# Altium PCB AMPM_GT400VB.PcbDoc (part 3 of 3)
Units mil, origin at the board's own origin, x right, y up, seen from the top; angles counter-clockwise.
Board outline 2654.8 x 2519.91 mil, 2 copper layers (Top Layer, Bottom Layer), stack 65.792 mil thick; 155 components, 114 nets, 568 pads, 487 vias.
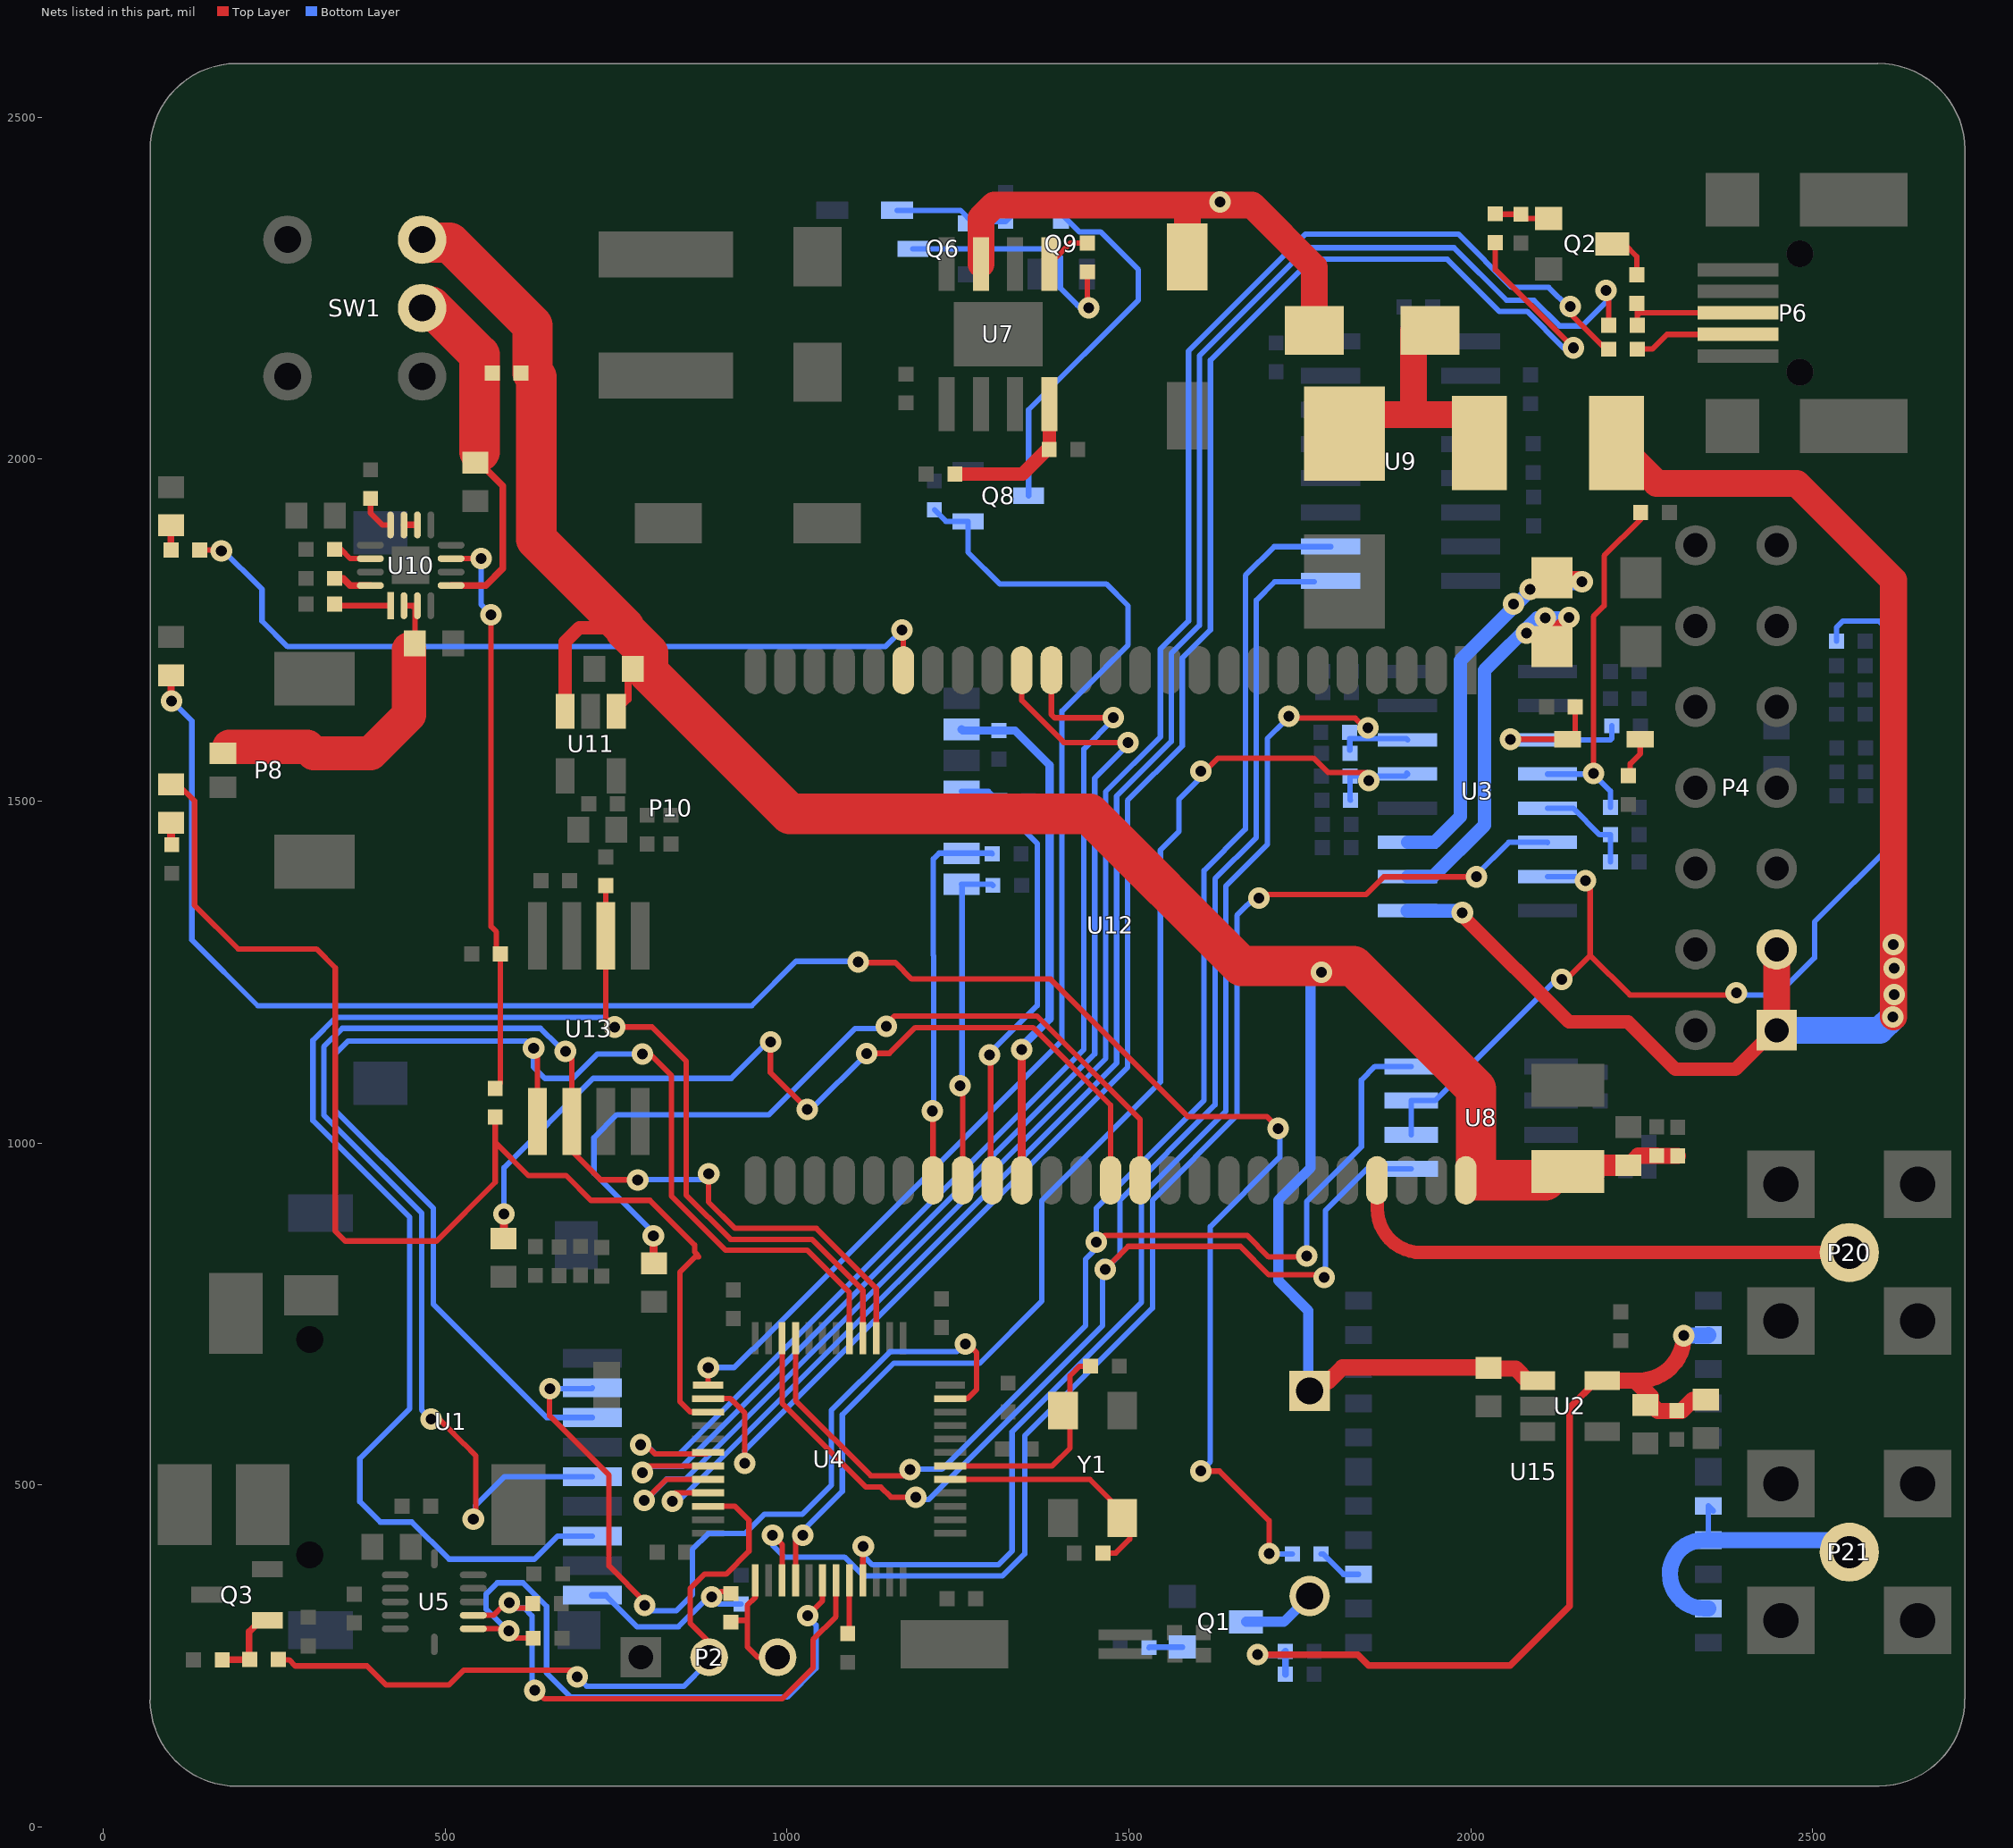
[diagram p3: the nets of this part, all layers, seen from the top]

## Via types
v1: diameter 31.5, hole 15.75, Top Layer to Bottom Layer, 478 vias
v2: diameter 11.81, hole 11.81, Top Layer to Bottom Layer, tented top, 5 vias
v3: diameter 74.8, hole 74.8, Top Layer to Bottom Layer, 2 vias
v4: diameter 35.43, hole 35.43, Top Layer to Bottom Layer, 2 vias

## Nets (pads, with @x,y where several pads share a name; then routed paths per layer and width w, separated by ;. In a path a pad name is that pad's centre, name@x,y a point inside that pad or via, vN(x,y) a via of type N, cw(c..) or ccw(c..) an arc to the next point about the centre after c; other vN are vias at no path point) (continued)
NetC87_2: C87.2 D8.1 R83.1 U3.3 | length 304.1
  Top Layer w8: v1(2057.9,1590.44) 2141.6,1590.44 D8.1@2141.7,1590.54 2153.06,1601.9 R83.1@2153.06,1638.04
  Bottom Layer w8: v1(2057.9,1590.44) 2058.75,1589.59 U3.3@2112.29,1589.59 2204.26,1589.59 2206.3,1591.62 C87.2@2206.3,1610.05
NetC88_2: C88.2 R84.1 U3.4 | length 536.6
  Top Layer w8: v1(2179.48,1540.53) 2179.48,1770.06 2195.23,1785.81 2195.23,1858.87 2248.64,1912.28 R84.1@2248.64,1922.03
  Bottom Layer w8: U3.4@2112.29,1539.59 2179.64,1539.59 2204.33,1514.9 C88.2@2204.33,1490.69
NetC89_2: C89.2 R85.1 U3.5 | length 147.9
  Bottom Layer w8: U3.5@2112.29,1489.59 2150.09,1489.59 2188.78,1450.89 R85.1@2204.33,1450.89 C89.2@2204.33,1411.09
NetD2_1: D2.1 R9.1 | length 32.2
  Top Layer w11.81: D2.1@98.92,1468.18 98.92,1437.36 R9.1@99.92,1436.36
NetD4_1: D4.1 D10.2 F1.2 | length 328.4
  Top Layer w39.37: D10.2@1815.37,2037.35 1843.26,2065.24 1916.31,2065.24 ; D4.1@1916.31,2188.38 1916.31,2065.24 ; F1.2@2005.55,2056.79 1997.1,2065.24 1916.31,2065.24
NetD7_1: D7.1 R94.1 | length 39.4
  Bottom Layer w10: R94.1@1476.49,2375.59 1515.72,2375.59 D7.1@1515.88,2375.43
NetD8_2: D8.2 R86.1 | length 58
  Top Layer w8: R86.1@2233.42,1538.56 2233.42,1554.61 2248,1569.19 D8.2@2248,1590.54
NetD9_1: D9.1 R28.2 | length 2916
  Top Layer w8: v1@1108.89,1259.93 1112.63,1263.67 1158.29,1263.67 1182.31,1239.65 1385.46,1239.65 1586.64,1038.47 1702.02,1038.47 v1@1708.61,1031.87 ; v1(1605.07,520.06) 1632.44,520.06 1705.07,447.43 v1(1705.07,399.59) ; v1@1699.46,398.89 v1@1706.55,398.89
  Top Layer w10: D9.1@98.92,1684.18 D9.1@98.92,1684.06 ; v1(99.24,1646.34) 98.92,1646.66 D9.1@98.92,1684.06 ; D9.1@100.81,1682.17 D9.1@98.92,1684.06
  Bottom Layer w8: v1@99.69,1646.8 129.16,1617.33 129.16,1297.13 225.62,1200.67 948.06,1200.67 1013.02,1265.63 1094.52,1265.63 v1@1096.88,1268 ; v1(1605.07,520.06) 1619.06,534.04 1619.06,877.52 1720.82,979.29 1720.82,1018.88 v1(1718.46,1021.24) ; v1(1705.07,399.59) 1700.16,399.59 1699.46,398.89 R28.2@1739.11,398.89
  other v1: 1103.96,1264.85
NetD14_1: D14.1 R35.1 | length 36.1
  Top Layer w10: R35.1@98.71,1867.21 98.71,1903.04 D14.1@98.92,1903.25
NetF2_2: F2.2 U3.11 | length 593
  Top Layer w19.68: F2.2@2118.73,1826.83 2156.96,1826.83 v1(2162.94,1820.85)
  Bottom Layer w19.68: U3.11@1907.57,1439.59 1947.21,1439.59 1985.07,1477.45 1985.07,1705.87 2097.29,1818.09 v1@2163.34,1818.09
  other v1: 2062.55,1788.47 2086.96,1809.73
NetF3_2: F3.2 U3.10 | length 590.4
  Top Layer w19.68: F3.2@2118.42,1715.63 2129.21,1715.63 F3.2@2132.51,1712.33 ; F3.2@2118.42,1727.15 2118.42,1743.25 v1(2143.65,1768.48)
  Bottom Layer w19.68: U3.10@1907.57,1389.59 1944.85,1389.59 2020.11,1464.85 2020.11,1691.3 2096.9,1768.09 v1(2109.01,1768.09) v1@2141.29,1768.09
  other v1: 2081.84,1745.56
NetLS1_2: LS1.2 Q1.C | length 108.8
  Bottom Layer w15: Q1.C@1671.26,299.6 1726.72,299.6 LS1.2@1764.43,337.31
NetP6_2: P6.2 R97.2 | length 156
  Top Layer w8: R97.2@2243.92,2160.94 2244.55,2161.56 2266.17,2161.56 2287.26,2182.65 P6.2@2390.89,2182.65
NetP6_3: P6.3 R16.2 R98.2 | length 180.8
  Top Layer w8: R16.2@2242.92,2227.94 2243.92,2226.94 2243.92,2210.78 ; R98.2@2243.92,2195.94 2243.92,2210.78 ; P6.3@2390.89,2214.15 2247.3,2214.15 2243.92,2210.78
NetP20_1: P20.1 U12.47 | length 770.6
  Top Layer w8: P20.1@2552.84,832.43 cw(c2552.84,831.38) P20.1@2553.89,831.38
  Top Layer w19.68: U12.47@1862.97,945.38 cw(c1862.97,945.01) 1863.34,945.01 1863.34,903.92 ccw(c1927.61,903.92) 1927.61,839.65 P20.1@2553.89,839.65
NetP21_1: P21.1 U15.16 U15.17 U15.19 | length 446.5
  Bottom Layer w8: U15.17@2347.69,419.11 U15.16@2347.69,469.11 U15.16@2355.01,461.79
  Bottom Layer w23.62: U15.19@2347.69,319.11 2341.84,319.11 cw(c2341.84,369.67) 2291.29,369.67 cw(c2340.74,369.67) 2340.74,419.11 U15.17@2347.69,419.11 2536.33,419.11 cw(c2536.33,401.56) P21.1@2553.89,401.56
NetQ1_B: Q1.B R18.1 | length 49.2
  Bottom Layer w8: R18.1@1529.35,261.79 1530.13,262.57 Q1.B@1578.26,262.57
NetQ2_B: Q2.B R12.1 R14.1 | length 81
  Top Layer w8: R14.1@2036.02,2359.01 2036.72,2358.32 R12.1@2073.53,2358.32 2079.61,2352.24 Q2.B@2114.2,2352.24
NetQ2_C: Q2.C R16.1 | length 70.1
  Top Layer w8: Q2.C@2207.2,2315.21 2224.33,2315.21 2242.92,2296.62 R16.1@2242.92,2269.94
NetQ3_1: Q3.1 R13.2 R24.1 | length 105.5
  Top Layer w10: R13.2@173.71,244.07 174.01,244.37 R24.1@213.67,244.37 212.88,245.17 212.88,285 Q3.1@230.15,302.28
NetQ6_3: Q6.3 R63.2 | length 373.8
  Top Layer w8: R63.2@1439.11,2274.12 1439.11,2223.85 v1(1441.39,2221.57)
  Bottom Layer w8: Q6.3@1183.8,2307.86 1387.38,2307.86 1399.66,2295.59 1399.66,2250.31 1424.46,2225.51 ; 1424.86,2225.51 1424.46,2225.51 ; v1(1441.39,2221.57) 1428.4,2221.57 1424.46,2225.51
NetR09_1: R09.1 R49.1 U10.7 | length 835.7
  Top Layer w8: U10.7@508.38,1854.75 552.13,1854.75 v1(552.42,1855.04) ; v1(566.98,1772.36) 566.98,1316.45 574.86,1308.58 574.86,1282.28 R49.1@580.48,1276.66 580.48,1087.45 R09.1@572.97,1079.94
  Bottom Layer w8: v1(552.42,1855.04) 552.42,1787.32 567.18,1772.56 567.77,1771.96 567.38,1771.96 v1(566.98,1772.36)
NetR11_2: R11.2 U4.44 | length 77.9
  Top Layer w8: R11.2@1091.12,282.4 U4.44@1091.12,360.3
NetR19_2: R19.2 R21.2 U7.4 | length 217.7
  Top Layer w19.68: R19.2@1245.36,1978.33 1344.44,1978.33 1383.61,2017.5 U7.4@1383.61,2080.69
NetR28_1: R28.1 U15.3 | length 67.1
  Bottom Layer w8: R28.1@1781.11,398.89 1784.11,398.89 1813.89,369.11 U15.3@1835.87,369.11
NetR35_2: R35.2 U12.20 | length 1185.9
  Top Layer w8: R35.2@140.71,1867.21 170.91,1867.21 v1(172.39,1865.73) ; v1(1168.14,1750.28) 1170.06,1748.36 U12.20@1170.06,1691.44
  Bottom Layer w8: v1@171.37,1870.4 231.84,1809.92 231.84,1763.37 269.27,1725.94 1143.8,1725.94 v1(1168.14,1750.28)
NetR43_1: R43.1 U10.12 | length 57.8
  Top Layer w8: R43.1@390.58,1942.67 390.58,1921.26 407.88,1903.96 U10.12@419.79,1903.96
NetR44_1: R44.1 U10.14 | length 56.7
  Top Layer w8: R44.1@339.15,1868.33 347.33,1868.33 360.91,1854.75 U10.14@390.27,1854.75
NetR45_1: R45.1 U10.16 | length 56.4
  Top Layer w10: R45.1@338.15,1825.84 350.45,1825.84 360.91,1815.38 U10.16@390.27,1815.38
NetR63_1: R63.1 U7.5 | length 68.2
  Top Layer w8: U7.5@1383.61,2285.41 1414.32,2316.12 R63.1@1439.11,2316.12
NetR88_1: R88.1 U10.1 | length 82.7
  Top Layer w8: R88.1@340.63,1785.85 U10.1@419.79,1785.85
  Top Layer w10: R88.1@338.15,1788.33 R88.1@340.63,1785.85
OSC1: C15.1 U4.5 Y1.1 | length 376.3
  Top Layer w8: U4.5@1238.76,507.93 1442.79,507.93 Y1.1@1501.26,449.46 ; C15.1@1460.63,400.31 1480.85,400.31 1501.26,420.71 Y1.1@1501.26,449.46 ; Y1.1@1501.26,457.21 Y1.1@1501.26,449.46 ; Y1.1@1505.2,449.33 1501.39,449.33 Y1.1@1501.26,449.46
OSC2: C8.2 U4.6 Y1.3 | length 327.6
  Top Layer w8: U4.6@1238.76,527.62 1387.82,527.62 1413.73,553.52 1413.73,659.43 1427.81,673.51 C8.2@1443.85,673.51
OUTPUT1: R10.2 U3.7 U8.2 U8.3 | length 1589.2
  Top Layer w8: v1(2133.42,1239.35) 2140.2,1239.35 2174.76,1273.9 ; v1@2167.67,1382.56 2174.76,1375.48 2174.76,1273.9 ; v1@2388.54,1216.42 2232.63,1216.42 2174.95,1274.1 2174.76,1273.9
  Bottom Layer w8: U8.2@1912.95,1011.99 U8.3@1912.95,1061.99 1948.18,1061.99 2125.54,1239.35 v1(2133.42,1239.35) v1@2133.42,1244.07 ; U3.7@2112.29,1389.59 v1@2176.86,1389.59 ; v1@2389.72,1218.78 2392.08,1216.42 2448.84,1216.42 2503.1,1270.68 2503.1,1323.54 2616.62,1437.05 2616.62,1744.32 2597.66,1763.27 2544.12,1763.27 2535.22,1754.37 R10.2@2535.22,1733.8
  other v1: 2388.54,1219.67 2167.67,1383.84
OUTPUT2: U3.6 U4.39 | length 2031.2
  Top Layer w8: v1@981.92,423.51 992.69,412.73 U4.39@992.69,360.3 ; v1@1683.02,1363.37 1846.97,1363.37 1872.86,1389.26 1993.73,1389.26 v1@2000.62,1396.14
  Bottom Layer w8: v1@978.96,411.5 996.09,394.37 1083.91,394.37 1111.46,366.82 1315.27,366.82 1347.59,399.13 1347.59,571.63 1534.41,758.45 1534.41,916.33 1658.02,1039.94 1658.02,1332.85 v1@1688.93,1363.76 ; v1@2006.72,1390.83 2055.54,1439.65 2112.23,1439.65 U3.6@2112.29,1439.59
  other v1: 978.77,426.26 1690.11,1358.25 2008.29,1389.26
PW_ON: C94.1 DZ1.2 Q6.1 Q8.3 Q9.3 R94.2 | length 843.7
  Bottom Layer w8: DZ1.2@1160.76,2364.01 1253.63,2364.01 Q6.1@1272.38,2345.27 ; Q6.1@1268.59,2349.05 Q6.1@1272.38,2345.27 ; Q8.3@1353.32,1946.7 1353.32,2072.48 1513.83,2232.99 1513.83,2277.08 1458.32,2332.59 1427.22,2332.59 1400.92,2358.9 Q9.3@1400.92,2359.48 ; R94.2@1434.49,2375.59 1417.02,2375.59 Q9.3@1400.92,2359.48 ; Q6.1@1272.38,2345.27 1275,2347.89 C94.1@1319.82,2347.89 1331.41,2359.48 Q9.3@1400.92,2359.48
PWR_EN: Q8.1 R93.1 U4.25 | length 1822.1
  Top Layer w8: U4.25@884.42,645.73 884.42,671.29 v1(884.7,671.57)
  Bottom Layer w8: v1(884.7,671.57) 922.5,671.57 948.87,697.95 949.93,697.95 1402.02,1150.04 1402.02,1631.81 1452.42,1682.2 ; R93.1@1215.49,1926.23 1232.43,1909.29 Q8.1@1264.74,1909.29 1264.74,1863.97 1311.08,1817.63 1466.82,1817.63 1498.87,1785.58 1498.87,1728.66 1452.42,1682.2 ; 1478.4,1708.19 1452.42,1682.2
PWR_INT: D2.2 R09.2 U4.27 | length 1843
  Top Layer w8: D2.2@98.92,1524.18 109.26,1524.18 133.13,1500.31 133.13,1347.53 196.88,1283.78 311.47,1283.78 339.03,1256.22 339.03,871.18 353.6,856.61 487.06,856.61 572.97,942.52 572.97,1000.98 ; R09.2@572.97,1037.94 572.97,1000.98 ; 870.55,833.48 868.92,833.48 ; U4.27@884.42,606.36 858.52,606.36 843.33,621.55 843.33,811.3 865.51,833.48 868.92,833.48 ; 572.97,1000.98 621.61,952.34 676.72,952.34 713.04,916.03 799.24,916.03 864.59,850.67 864.59,840.83 868.92,836.5 868.92,833.48
PWR_SD: P2.2 R24.2 U4.34 | length 1025.9
  Top Layer w8: R24.2@254.56,244.8 255.33,244.03 271.49,244.03 280.5,235.02 385.39,235.02 412.94,207.46 505.46,207.46 526.66,228.66 683.46,228.66 v1(692.94,219.18) ; U4.34@884.42,468.57 923.73,468.57 944.12,448.18 944.12,402.81 910.58,369.27 879.09,369.27 858.22,348.41 858.22,297.54 P2.2@908.06,247.7
  Bottom Layer w8: v1(692.94,219.18) 706.61,205.51 849.18,205.51 881.06,237.38 P2.2@881.06,246.44
SCL: R6.1 U4.42 U5.6 | length 914
  Top Layer w8: U5.6@540.96,289.44 576.08,289.44 ; v1(592.94,286.37) 603.62,275.69 R6.1@628.59,275.69 R6.1@625.48,272.59 ; v1@1034.2,312.97 1051.75,330.51 U4.42@1051.75,360.3
  Bottom Layer w8: v1@589.72,287.78 559.68,317.81 559.68,340.25 576.01,356.58 613.81,356.58 648.06,322.33 648.06,224.82 683.37,189.51 1000.28,189.51 1042.47,231.7 1042.47,294.86 v1@1029.48,307.85
  other v1: 1029.87,308.64
SD_CS: U1.2 U4.11 | length 1325
  Top Layer w8: v1@642.15,640.83 652.59,630.39 652.59,601.1 739.48,514.21 739.48,381.3 793.33,327.44 v1@793.33,323.11 ; v1(791.76,323.51) 792.94,323.51 v1@793.33,323.11 ; U4.11@1238.76,626.05 1263.63,626.05 1277.19,639.61 1277.19,693.19 1266.96,703.43 1266.96,707.76 v1@1266.56,707.37 ; v1@793.33,323.11 795.3,321.15 793.33,319.18 v1@793.33,323.11
  Bottom Layer w8: v1@642.15,640.83 v1(652.78,640.83) 714.22,640.83 U1.2@715.1,641.71 ; v1(791.76,323.51) 792.94,323.51 800.42,316.03 838.22,316.03 861.44,339.26 861.44,405.43 884.64,428.63 938.61,428.63 966.96,456.97 1022.47,456.97 1064.73,499.24 1064.73,609.1 1150.4,694.77 1248.06,694.77 1260.66,707.37 v1@1266.56,707.37
  other v1: 1260.58,705.89
SD_DET: R71.1 R89.2 U1.9 | length 252.3
  Top Layer w8: v1@902.45,343.81 R71.1@916.49,343.81
  Bottom Layer w8: U1.9@734.19,338.56 780.35,292.4 841.19,292.4 v1@879.28,330.49 ; v1@895.43,330.49 900.27,325.65 R89.2@932.6,325.65
  Bottom Layer w10: U1.9@715.1,338.56 U1.9@734.19,338.56
  other v1: 889.72,336.2
SD_MISO: R25.2 U1.7 U4.16 U13.2 | length 2507.4
  Top Layer w8: U13.2@734.8,1303.13 R25.2@734.8,1376.43 ; U13.2@734.89,1277.43 734.89,1182.74 v1(748.06,1169.57) 802.41,1169.57 852.32,1119.67 852.32,923.81 917.14,858.99 1036.26,858.99 1110.8,784.44 U4.16@1110.8,714.63
  Bottom Layer w8: U1.7@715.1,425.17 664.29,425.17 630.34,391.22 505.38,391.22 451.05,445.56 404.75,445.56 375.04,475.27 375.04,538.5 447.66,611.13 447.66,891.62 306.33,1032.96 306.33,1150.28 339.72,1183.67 733.96,1183.67 v1(748.06,1169.57)
SD_MOSI: U1.3 U4.17 U13.5 | length 1961.2
  Top Layer w8: v1(629.16,1138.47) 634.89,1132.74 634.89,1042.98 U13.5@640.59,1037.27 ; v1(788.54,1130.3) 799.17,1130.3 830.66,1098.8 830.66,922.42 910.09,842.99 1029.63,842.99 1091.12,781.5 U4.17@1091.12,714.63
  Bottom Layer w8: U1.3@715.1,598.41 648.2,598.41 482.7,763.9 482.7,904.22 338.61,1048.31 338.61,1129.81 357.9,1149.1 618.53,1149.1 v1(629.16,1138.47) 629.16,1110.93 645.62,1094.47 686.57,1094.47 722.39,1130.3 v1(788.54,1130.3)
SD_SCK: U1.5 U4.15 U13.6 | length 2157.6
  Top Layer w8: v1@481.52,595.16 492,595.16 498.47,588.69 498.47,588.51 527.41,559.57 527.59,559.57 544.52,542.64 544.52,453.92 546.08,452.35 v1@543.73,455.79 ; v1@680.34,1142.01 684.89,1137.46 684.89,1036.68 U13.6@687.44,1034.12 ; U13.6@684.8,1031.48 684.8,988.37 727.12,946.04 v1(781.45,946.04) ; v1@884.99,953.13 884.99,913.76 923.76,874.99 1042.89,874.99 1130.49,787.39 U4.15@1130.49,714.63
  Bottom Layer w8: v1(479.16,595.95) 465.38,609.73 465.38,897.52 322.33,1040.58 322.33,1140.69 349.31,1167.67 639.2,1167.67 664.86,1142.01 v1@680.34,1142.01 ; v1@543.73,455.79 543.73,469.18 586.34,511.79 U1.5@715.1,511.79 ; v1@781.45,946.44 875.15,946.44 v1@884.99,956.28
  other v1: 540.97,449.89 885.39,954.7 675.62,1133.74
SDA: R7.1 U4.43 U5.7 | length 828
  Top Layer w8: U5.7@540.96,309.13 570.43,309.13 v1@584.28,322.98 ; v1@587.43,319.83 621.27,319.83 R7.1@627.8,326.36 ; v1@629.95,192.41 633.92,196.37 635.66,196.37 645.15,186.89 992.72,186.89 1037.75,231.92 1037.75,273.44 1071.43,307.12 U4.43@1071.43,360.3
  Bottom Layer w8: v1@587.43,319.83 615.52,319.83 626.8,308.55 626.8,195.56 v1@629.95,192.41
  other v1: 630.66,199.19 593.33,327.48
SIM_CLK: C58.2 P10.3 U12.32 | length 566.7
  Top Layer w8: U12.32@1209.92,941.94 U12.32@1213.36,945.38 1213.36,1044.72 v1@1215.38,1046.74
  Bottom Layer w8: v1(1212.63,1046.74) 1214.25,1048.36 1214.25,1273.91 1213.85,1274.31 1213.85,1415.29 1222.34,1423.78 P10.3@1255.32,1423.78 1299.25,1423.78 C58.2@1300.21,1422.82
SIM_DATA: C59.2 P10.7 U12.33 | length 473
  Top Layer w8: U12.33@1256.67,945.38 v1@1256.67,1083.74
  Bottom Layer w8: P10.7@1255.32,1378.5 1299.25,1378.5 C59.2@1301,1376.75 ; v1@1255.93,1089.65 P10.7@1255.93,1377.89
  other v1: 1252.78,1083.74
SIM_RST: C57.2 P10.2 U12.34 | length 666.4
  Top Layer w8: v1@1297.66,1128.63 1297.66,947.69 U12.34@1299.98,945.38
  Bottom Layer w8: P10.2@1255.32,1514.33 1294.51,1514.33 1306.72,1502.11 1306.72,1497.28 1366,1438 1366,1200.9 v1@1295.3,1130.2
  other v1: 1296.09,1128.63
SIM_VDD: C56.1 P10.1 U12.35 | length 772.3
  Top Layer w12: U12.35@1343.28,945.38 v1(1343.28,1136.5)
  Bottom Layer w12: P10.1@1255.32,1604.88 1256.84,1603.36 C56.1@1309.92,1603.36 1333.17,1603.36 1384,1552.53 1384,1181.5 v1@1341.76,1139.26
SOS: C82.2 R3.1 U3.14 U4.45 | length 1928.3
  Top Layer w8: v1@1109.28,407.56 1110.8,406.04 U4.45@1110.8,360.3 ; v1(1733.89,1624.3) 1733.89,1627.37 1739.86,1621.4 1831.27,1621.4 v1@1848.06,1604.61
  Bottom Layer w8: v1@1111.44,409.33 1111.44,396.34 1124.83,382.96 1308.79,382.96 1329.09,403.26 1329.09,577.54 1518.41,766.86 1518.41,923.16 1642.02,1046.78 1642.02,1375.91 1702.5,1436.39 1702.5,1591.46 1728.56,1617.52 v1@1728.56,1632.69 ; v1@1728.56,1633.95 v1@1728.56,1632.69 ; v1(1733.89,1624.3) 1733.89,1627.37 v1@1728.56,1632.69 ; C82.2@1823.25,1574.39 1823.25,1591.62 1905.54,1591.62 U3.14@1907.57,1589.59
  other v1: 1111.44,409.73 1849.63,1606.97
SPEED: C83.2 R4.1 U3.13 U4.40 | length 1891.4
  Top Layer w8: U4.40@1012.38,360.3 v1@1012.38,426.26 ; v1@1617.28,1549.98 1630.2,1562.91 1770.47,1562.91 1791.37,1542.01 v1@1848.06,1542.01
  Bottom Layer w8: v1@1020.5,427.84 1022.07,427.84 1022.07,431.78 1080.73,490.43 1080.73,602.47 1156.1,677.84 1281.75,677.84 1372.66,768.75 1372.66,915.82 1546.02,1089.19 1546.02,1428.17 1573.18,1455.32 1573.18,1502.57 1616.26,1545.65 1613.73,1545.65 1611.36,1543.27 1605.48,1543.27 v1(1605.07,1543.68) ; R4.1@1824.25,1501.11 1823.47,1501.9 C83.2@1823.47,1536.71 1904.7,1536.71 U3.13@1907.57,1539.59 U3.13@1906.28,1540.88 ; v1@1848.06,1542.01 v1@1852.39,1537.68
  other v1: 1022.86,426.26 1851.21,1530.2
SPK_N: C78.2 U12.39 | length 1232.2
  Top Layer w8: v1@1144.91,1173.51 1157.11,1185.71 1365.38,1185.71 1516.51,1034.58 U12.39@1516.51,945.38
  Top Layer w11.81: C78.2@804.36,825.48 v1(804.36,864.06)
  Bottom Layer w8: v1@804.16,868.98 717.35,955.79 717.35,1007.76 750.91,1041.32 973.35,1041.32 1099.24,1167.21 v1@1141.76,1167.21
  other v1: 1145.3,1170.75
SPK_P: C77.2 U12.38 | length 1324.5
  Top Layer w8: v1(975.62,1147.92) 975.62,1103.04 v1(1029.55,1049.1) ; v1@1119.71,1130.99 1149.63,1130.99 1187.43,1168.78 1359.68,1168.78 1473.2,1055.26 U12.38@1473.2,945.38
  Top Layer w11.81: C77.2@585.46,870.02 v1(585.46,896.34) v1@585.46,897.92
  Bottom Layer w8: v1@590.97,900.67 585.85,905.79 585.85,964.06 716.26,1094.47 918.23,1094.47 v1@972.47,1148.7 ; v1(1029.55,1049.1) 1035.07,1049.1 v1(1116.56,1130.59)
SWDIO: P2.3 R71.2 U4.37 | length 200.3
  Top Layer w8: R71.2@916.49,301.81 941.16,301.81 941.69,302.34 ; U4.37@953.32,360.3 953.32,335.38 941.69,323.74 941.69,302.34 ; P2.3@1008.06,247.7 P2.3@986.02,247.7 956.96,247.7 941.69,262.97 941.69,302.34
UART1_RX: U4.31 U12.16 | length 1731
  Top Layer w8: v1@793.65,527.62 U4.31@884.42,527.62 ; U12.16@1343.28,1691.44 1343.28,1647.39 1404.96,1585.71 v1(1498.59,1585.71) v1@1502.78,1589.91
  Bottom Layer w8: v1@783.1,519.57 783.1,524.3 785.46,521.93 v1@790.58,521.93 ; v1@784.67,516.03 v1@790.58,521.93 ; v1@1502.39,1583.74 1500.42,1583.74 1450.02,1533.35 1450.02,1130.16 846.92,527.05 795.7,527.05 v1@790.58,521.93
  other v1: 788.22,518
UART1_TX: U4.30 U12.15 | length 1658.6
  Top Layer w8: v1@787.43,564.45 806.91,544.97 882.09,544.97 U4.30@884.42,547.31 ; U12.15@1386.59,1691.44 1386.59,1626.71 1391.37,1621.93 1465.64,1621.93 v1@1471.42,1616.16
  Bottom Layer w8: v1@787.63,564.65 807.3,544.97 842.21,544.97 1434.02,1136.78 1434.02,1576.4 v1@1476.01,1618.39
  other v1: 785.46,558.55 1477.19,1621.93
UART3_RX: U4.22 U8.1 U9.9 | length 2597.3
  Top Layer w8: U4.22@992.69,714.63 992.69,619.05 1115.12,496.63 1137.17,496.63 1151.92,481.87 v1(1188.14,481.87) ; v1(1465.38,815.24) 1498.85,848.7 1663.02,848.7 1704.55,807.18 1781.71,807.18 v1(1785.46,803.43)
  Bottom Layer w8: v1@1180.34,481.78 1183.49,478.63 1207.34,478.63 1461.48,732.76 v1@1461.48,826.69 ; v1(1465.38,815.24) 1487.03,836.89 1487.03,916.84 1626.02,1055.82 1626.02,1386.29 1686.5,1446.76 1686.5,1794.01 1713.34,1820.85 U9.9@1770.82,1820.85 ; v1(1785.46,803.43) 1787.62,805.59 1787.62,901.42 1848.18,961.99 U8.1@1912.95,961.99
UART3_TX: U4.21 U8.4 U9.10 | length 2679.3
  Top Layer w8: U4.21@1012.38,714.63 1012.38,623.38 1122.39,513.37 1170.59,513.37 v1(1179.55,522.33) ; v1@1453.57,853.82 1464.59,864.85 1672.86,864.85 1704.36,833.35 1763.02,833.35 v1@1764.59,834.93
  Bottom Layer w8: v1@1179.95,522.72 1226.24,522.72 1436.66,733.14 1436.66,830.2 v1@1452.39,845.94 ; v1(1452.39,855) 1452.39,904.82 1610.02,1062.45 1610.02,1398.63 1670.5,1459.11 1670.5,1830.2 1712.52,1872.22 U9.10@1795.23,1872.22 ; v1(1759.87,834.93) 1759.87,914.23 1840.11,994.47 1840.11,1092.11 1859.99,1111.99 U8.4@1912.95,1111.99
USB_CON: R14.2 U4.26 | length 2876.7
  Top Layer w8: U4.26@884.42,626.05 917.17,626.05 937.82,605.4 v1(937.82,531.38) v1@937.82,529.81 ; R14.2@2036.02,2317.01 2036.02,2277.3 v1(2150.35,2162.97)
  Bottom Layer w8: v1@937.82,535.32 937.82,550.07 1498.02,1110.27 1498.02,1500.65 1578.05,1580.68 1578.05,1709.16 1619.22,1750.33 1619.22,2144.86 1766.86,2292.5 1965.7,2292.5 2041.74,2216.45 2082.34,2216.45 2135.82,2162.97 v1(2150.35,2162.97)
USBDM: R97.1 U4.32 | length 2890.3
  Top Layer w8: v1@802,486.5 823.43,507.94 U4.32@884.42,507.94 ; v1(2145.62,2223.21) 2145.62,2213.27 2197.95,2160.94 R97.1@2201.92,2160.94 R97.1@2200.78,2162.09
  Bottom Layer w8: v1@792.94,477.84 823.65,508.55 851.04,508.55 1466.02,1123.53 1466.02,1513.91 1546.05,1593.93 1546.05,1722.41 1587.22,1763.59 1587.22,2158.12 1758.47,2329.37 1981.98,2329.37 2059.85,2251.49 2114.12,2251.49 v1@2144.01,2221.6 ; v1@2137.35,2214.94 v1@2144.01,2221.6 ; v1@2144.08,2221.6 v1@2144.01,2221.6 ; v1(2145.62,2223.21) v1@2144.01,2221.6
  other v1: 790.97,477.05
USBDP: R98.1 U4.33 | length 2885
  Top Layer w8: v1@827.19,475.87 v1@831.52,475.87 ; v1@831.52,471.54 v1@831.52,475.87 ; v1(832.31,475.87) v1@831.52,475.87 ; U4.33@884.42,488.25 836.17,488.25 831.52,483.61 v1@831.52,475.87 ; v1(2197.98,2246.83) 2201.92,2242.89 R98.1@2201.92,2195.94
  Bottom Layer w8: v1@825.22,468.39 830.34,473.51 838.63,473.51 1482.02,1116.9 1482.02,1507.28 1562.05,1587.3 1562.05,1715.79 1603.22,1756.96 1603.22,2151.49 1761.16,2309.43 1975.54,2309.43 2052.37,2232.59 2092.57,2232.59 2130.19,2194.98 2163.92,2194.98 ; v1@827.19,475.87 v1(832.31,475.87) ; 2163.54,2195.46 2203.1,2235.02 2203.1,2238.96 v1@2194.83,2247.22
V++: C22.1 D4.2 D7.2 U7.7 | length 804.2
  Top Layer w39.37: U7.7@1283.61,2285.41 1283.61,2352.54 1303.04,2371.96 1591,2371.96 ; C22.1@1585.39,2296.04 1585.39,2366.35 1591,2371.96 ; D4.2@1771.19,2188.38 1771.19,2280.75 1679.98,2371.96 1633.13,2371.96 1591,2371.96
  Bottom Layer w10: D7.2@1594.62,2375.43 1626.12,2375.43 v1@1627.22,2374.33
  other v1: 1633.13,2376.3
VBAT: C25.2 P8.2 U10.2 U10.3 | length 475.3
  Top Layer w8: U10.2@439.48,1785.85 452,1785.85 ; 451.32,1785.17 452,1785.85 ; C25.2@455.65,1730.78 455.65,1782.34 U10.3@459.16,1785.85 452,1785.85
  Top Layer w30: 298.03,1579.44 307.51,1569.96 ; C25.2@446.88,1722 C25.2@455.65,1730.78
  Top Layer w50: P8.2@184.11,1579.44 298.03,1579.44 ; 307.51,1569.96 390.58,1569.96 446.88,1626.26 C25.2@446.88,1722
VGPS: C40.2 C61.2 C62.2 R77.2 R78.2 U2.5 U15.12 | length 1258.6
  Top Layer w10: v1(1688.14,251.56) 1834.99,251.56 1850.74,235.81 2057.83,235.81 2144.83,322.82 2144.83,612.58 2184.87,652.61 U2.5@2192.45,652.61
  Top Layer w23.62: U2.5@2192.45,652.61 2240.23,652.61 ; v1@2311.35,718.5 v1(2311.76,718.09) cw(c2246.29,718.09) 2246.29,652.61 2240.23,652.61 ; C40.2@2344.05,624.41 2324.62,624.41 2308.3,608.09 2273.74,608.09 2264.13,617.7 2264.13,628.72 2240.23,652.61
  Bottom Layer w10: v1(1688.14,251.56) 1724.05,251.56 R77.2@1728.92,256.43 R78.2@1728.92,222.96
  Bottom Layer w23.62: v1(2311.76,718.09) 2346.66,718.09 U15.12@2347.69,719.11
VGSM: C17.1 C48.1 C49.1 C51.2 C53.1 C63.2 LS1.1 RNC1.1 SW1.3 U2.1 U11.1 U11.3 U12.50 | length 4012.7
  Top Layer w10: U11.1@750.1,1631.42 767.35,1648.67 C17.1@767.35,1691.14 ; U12.50@1992.89,945.38 U12.50@2007.9,945.38 ; C53.1@2121.81,958.24 2123.81,960.24 C53.1@2143.92,960.24 ; C51.2@2219.04,967.36 2224.98,973.3 C51.2@2236.87,973.3
  Top Layer w19.68: U11.3@675.29,1631.42 675.29,1733.03 696.09,1753.83 762.24,1753.83
  Top Layer w23.62: LS1.1@1764.43,637.31 1777.89,650.78 1791.69,650.78 1812.55,671.63 C63.2@2023.57,671.63 ; C63.2@2026.33,670.85 2027.12,670.06 2065.7,670.06 2083.15,652.61 U2.1@2097.96,652.61 ; C51.2@2230.92,967.36 2236.87,973.3 2244.94,981.37 C48.1@2272.12,981.37 2272.41,981.09 C49.1@2302.88,981.09
  Top Layer w31.5: C53.1@2141.92,958.24 2143.92,960.24 2151.04,967.36 2219.04,967.36 C51.2@2230.92,967.36
  Top Layer w59.06: SW1.3@470.97,2316.85 506.41,2316.85 627.51,2195.75 627.51,2125.94 633.13,2120.32 633.13,1882.94 762.24,1753.83 ; 763.02,1750.28 796.88,1716.42 796.88,1688.47 1003.96,1481.38 1442.15,1481.38 1664.59,1258.94 1828.37,1258.94 2007.9,1079.41 2007.9,945.38 C53.1@2108.95,945.38 ; C53.1@2121.81,958.24 C53.1@2141.92,958.24
  Bottom Layer w15: LS1.1@1762.55,635.81 1762.55,754.7 1718.46,798.8 1718.46,916.31 1765.91,963.76 1765.91,1234.27 v1(1781.52,1249.89)
  Bottom Layer w23.62: LS1.1@1762.55,635.81 LS1.1@1769.64,628.72
VGSM_O: C70.2 RNC1.2 SW1.2 U10.5 U10.10 U10.11 | length 508
  Top Layer w10: U10.11@439.48,1903.96 U10.10@459.16,1903.96 ; U10.5@508.38,1815.38 559.15,1815.38 584.21,1840.43 584.21,1961 C70.2@556.25,1988.96
  Top Layer w59.06: SW1.2@479.24,2223.55 550.03,2152.76 550.03,2125.94 C70.2@550.03,2010.91
VIN: F1.1 P4.1 P4.3 U3.9 | length 2088.2
  Top Layer w20: v1@1987.04,1337.68 v1(1987.82,1336.89) 1987.82,1332.98 2143.75,1177.05 2230.27,1177.05 2299.56,1107.76 2387.35,1107.76 2434.97,1155.37 P4.1@2434.97,1177.52 ; P4.1@2455.07,1156.58 P4.1@2455.49,1157
  Top Layer w39.37: F1.1@2215.7,2002.74 2224.94,2011.98 2272.22,1964.7 2476.87,1964.7 2618.46,1823.11 v1(2618.46,1290.44) v1@2618.46,1184.14 ; P4.1@2447.52,1164.97 P4.3@2447.52,1283.18
  Bottom Layer w20: U3.9@1907.57,1339.59 v1@1987.76,1339.59
  Bottom Layer w39.37: P4.1@2447.52,1164.97 2598.5,1164.97 v1(2617.67,1184.14)
  other v1: 2619.24,1217.21 2619.24,1255.4
pads on no net: J1.4 J1.5 P4.10 P6.10 P6.11 P10.4 P10.6 SW1.1 U1.1 U1.8 U1.14 U1.15 U2.4 U3.2 U3.15 U5.2 U5.10 U5.11 U5.12 U7.2 U7.3 U9.11 U9.12 U9.13 U9.14 U10.9 U11.4 U12.2 U12.4 U12.5 U12.9 U12.11 U12.14 U12.18 U12.21 U12.24 U12.26 U12.27 U12.28 U12.29 U12.37 U12.40 U12.41 U12.42 U15.5 U15.6 U15.7 U15.8 U15.9 U15.10 U15.13 U15.14 U15.15
copper on no net:
  other v3: 272.28,608.97 547.87,608.97
  other v4: 1025,1214.33 1025,1765.51

## Polygon pours and split planes (outlines as drawn)
no net on Bottom Solder "Top Layer-No Net" (solid, pour order 1004): 2589.57,130.26 183.84,130.26 183.84,73.57 2589.57,73.57
no net on Bottom Solder "Top Layer-No Net" (solid, pour order 1005): 2603.75,2562.55 198.01,2562.55 198.01,2505.85 2603.75,2505.85
no net on Top Solder "Top Layer-No Net" (solid, pour order 1002): 181.48,132.62 2589.57,132.62 2589.57,69.24 181.48,69.24
no net on Top Solder "Top Layer-No Net" (solid, pour order 1003): 195.65,2564.91 2603.75,2564.91 2603.75,2501.52 195.65,2501.52
GND on Top Layer "Top_gnd" (solid, pour order 1001): 68.53,185.55 68.53,2451.72 68.58,2451.72 cw(c195.35,2452.5) 194.55,2579.27 194.55,2579.28 2595.72,2579.28 2595.72,2579.48 cw(c2596.51,2452.71) 2723.28,2453.51 2723.28,187.14 2723.09,187.14 cw(c2596.32,186.36) 2597.11,59.58 2597.11,59.59 196.05,59.59 196.05,59.58 cw(c195.26,186.35)
GND on Bottom Layer "Bot_gnd" (solid, pour order 1000): 68.93,185.94 68.93,2452.11 68.97,2452.11 cw(c195.74,2452.9) 194.95,2579.67 2596.11,2579.67 2596.11,2579.88 cw(c2596.9,2453.11) 2723.67,2453.9 2723.68,2453.9 2723.68,187.54 2723.48,187.54 cw(c2596.71,186.75) 2597.51,59.98 2597.51,59.99 196.44,59.99 196.44,59.97 cw(c195.65,186.74)

## Keep-outs
Keep-Out Layer:
  lines w3.94: 68.09,185.16 ccw(c194.87,185.95) 195.65,59.18 2596.72,59.2 ccw(c2595.92,185.96) 2722.69,186.75 ; 68.14,185.16 68.14,2451.32 ; 68.19,2451.32 cw(c194.96,2452.11) 194.16,2578.88 2595.33,2578.89 ; 2595.33,2579.09 cw(c2596.11,2452.32) 2722.89,2453.12 2722.89,186.75

## Other copper
Top Layer:
  rectangle net VBAT: 437.35,1722.33 462.16,1801.07
  region net NetC34_2: 1244.83,2324.78 1230.66,2338.96 1027.91,2338.96 1012.94,2324 1012.94,2263.76 1022,2254.7 1231.06,2254.7 1244.83,2268.48
  region net NetF2_2: 2049.56,1781.38 2045.23,1785.71 2045.23,1820.75 2081.06,1856.58 2149.95,1856.58 2178.69,1827.84 2178.69,1812.48 2163.34,1797.13 2095.23,1797.13 2064.52,1773.51 2060.58,1771.54
  region net NetF3_2: 2059.8,1743.19 2096.8,1780.2 2152.32,1780.2 2159.01,1773.51 2159.01,1734.93 2129.87,1705.79 2127.51,1708.15 2075.15,1708.15
  region net 5V: 318.85,1947.92 310.98,1947.92 286.17,1972.72 286.17,2025.87 296.02,2035.71 347.98,2035.71 364.91,2018.78 364.91,1958.15 355.46,1948.7
  region net 5V: 1362.55,1879.02 1391.29,1879.02 1442.47,1930.2 1442.47,1983.35 1449.56,1990.44 1477.91,1990.44 1482.24,1986.11 1482.24,1914.45 1407.83,1840.04 1363.34,1840.04 1363.34,1840.44 1359.4,1844.37
  region net VGSM_O: 437.9,1887.72 435.15,1890.48 435.15,2005.44 476.09,2046.38 571.37,2046.38 576.88,2040.87 576.88,2012.92 543.02,1979.06 496.56,1979.06 463.49,1945.99 463.49,1893.63 457.19,1887.33
  region net 5V: 2449.19,2160.18 2294.86,2160.18 2282.66,2147.98 2282.66,2106.25 2298.8,2090.1 2310.22,2090.1 2336.2,2116.09 2437.38,2116.09 2449.19,2127.9
Bottom Layer:
  rectangle net VIN: 2599.17,1183.74 2636.96,1310.52
  region net 5V: 320.03,1947.52 311.37,1947.52 286.17,1972.72 286.17,2025.87 296.02,2035.71 347.98,2035.71 364.91,2018.78 364.91,1958.15 354.68,1947.92 322.39,1947.92
  region net 5V: 1459.01,1995.56 1472.79,1995.56 1482.24,1986.11 1482.24,1914.45 1407.83,1840.04 1353.1,1840.04 1349.17,1843.98 1349.17,1873.9 1354.28,1879.02 1391.29,1879.02 1442.87,1930.59 1442.87,1984.93
  region net 5V: 723.57,2001.07 747.98,2001.07 799.95,2053.04 846.8,2053.04 859.4,2040.44 859.4,1950.28 846.8,1937.68 776.72,1937.68 738.14,1976.26

## Silkscreen, mask and mechanical layers (free items; w line width, h text height)
Top Overlay:
  rectangle: 917.28,392.5 1207.43,682.66
  rectangle: 880.69,995.58 2064.52,1635.81
  rectangle: 1339.35,215.3 1444.86,325.93
  rectangle: 764.41,597.95 854.17,683.78
  rectangle: 707.14,2163.3 942.18,2260.15
Bottom Overlay:
  text "13" at 2465.7,1921.24 h25
  text "14" at 2346.41,1916.91 h25
  text "12" at 2400.74,1748.41 h25
  text "11" at 2507.83,1745.65 h25
  text "9" at 2502.32,1629.51 h25
  text "10" at 2401.92,1627.93 h25
  text "8" at 2386.57,1509.04 h25
  text "7" at 2503.89,1505.1 h25
  text "6" at 2384.6,1391.32 h25
  text "5" at 2508.22,1388.96 h25
  text "3" at 2508.61,1275.18 h25
  text "4" at 2382.24,1270.06 h25
  text "2" at 2382.63,1153.13 h25
  text "1" at 2505.07,1151.95 h25
  text "8-RS232_RX/RS485_B" at 1522.95,977.97 h25 r270
  text "6-VOUT" at 1573.74,977.97 h25 r270
  text "4-GND" at 1620.59,977.97 h25 r270
  text "2-GND" at 1668.23,976 h25 r270
  text "12-NC" at 1424.92,957.89 h25 r270
  text "10-RS232_TX/RS485_A" at 1473.35,957.89 h25 r270
  text "14-SPEED" at 1372.17,955.53 h25 r270
  text "1-VCC" at 1663.9,596.87 h25 r270
  text "7-ANALOG0" at 1519.41,594.9 h25 r270
  text "5-HI-ACT-INPUT" at 1571.38,594.11 h25 r270
  text "3-SOS" at 1617.44,592.54 h25 r270
  text "9-ANALOG1" at 1472.95,591.75 h25 r270
  text "11-ACC" at 1419.41,573.64 h25 r270
  text "13-OUTPUT" at 1370.59,572.46 h25 r270

## Text inside footprints (layer, text, board x,y; h text height)
LS1: Top Overlay "+" at 1748.68,717.62 h25 r270
P4: Top Overlay "14" at 2311.62,1915.86 h25; Top Overlay "13" at 2428.94,1915.86 h25; Top Overlay "1" at 2444.61,1098.93 h25; Top Overlay "2" at 2332.02,1095.78 h25